# Altium PCB Enigma Rev A.PcbDoc (part 3 of 7) (continued)
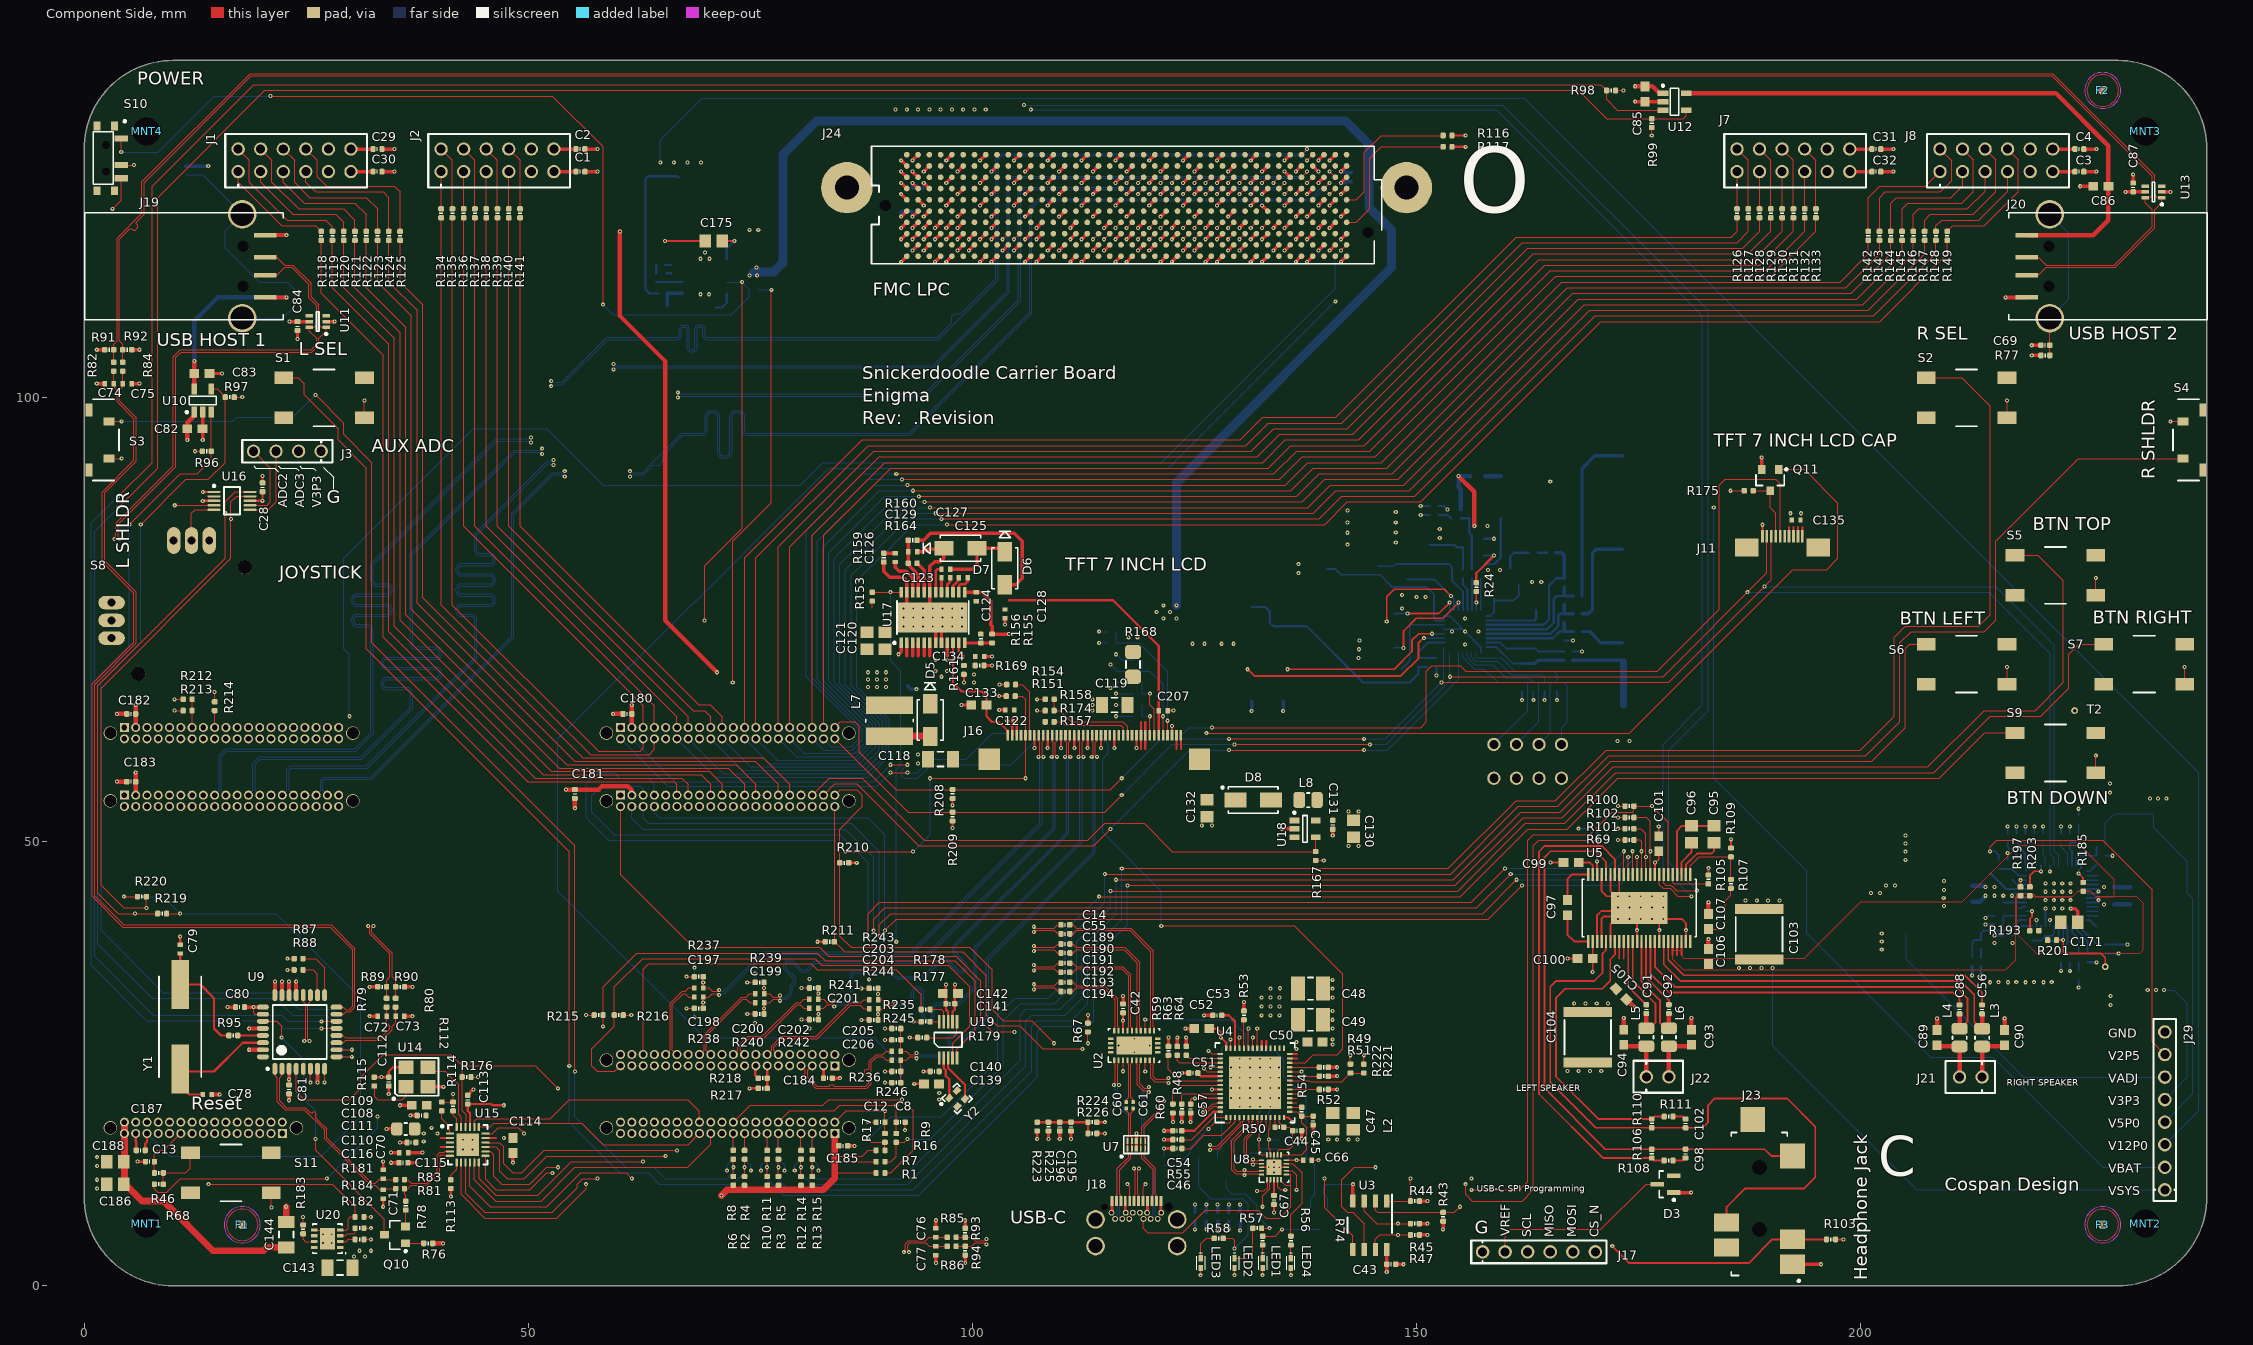
[diagram p0: Component Side view]
## Nets (pads, with @x,y where several pads share a name; then routed paths per layer and width w, separated by ;. In a path a pad name is that pad's centre, name@x,y a point inside that pad or via, vN(x,y) a via of type N, cw(c..) or ccw(c..) an arc to the next point about the centre after c; other vN are vias at no path point) (continued)
  Component Side w0.457: C78.1@14.335,21.539 v1(15.24,21.539) ; v1(18.561,26.575) U9.31@20.107,26.575 ; v1(18.561,28.975) U9.28@20.107,28.975 ; J19.4@20.38,118.316 v1(22.781,118.316) ; U9.24@21.457,32.725 v1(21.457,34.271) ; U9.23@22.257,32.725 v1(22.257,34.271) ; U9.22@23.057,32.725 v1(23.057,34.271) ; U9.21@23.857,32.725 v1(23.857,34.271) ; v1(26.257,22.879) U9.7@26.257,24.425 ; v1(216.36,111.316) J20.4@218.761,111.316
  Component Side w0.508: v1(3.683,56.769) C183.1@4.781,56.769 ; v1(3.683,64.389) C182.1@4.781,64.389 ; v1(55.245,53.782) C181.1@55.245,54.88 ; v1(59.563,64.389) C180.1@60.661,64.389 ; C94.1@173.383,28.825 v1(173.383,30.134) ; C105.1@173.696,32.234 v1(174.622,31.308) ; C93.1@181.003,28.825 v1(181.003,30.134) ; C106.1@182.908,37.93 v1(182.908,39.024) ; C107.1@182.908,41.867 v1(182.908,43.176) ; C89.1@208.661,28.79 v1(208.661,30.099) ; C90.1@216.281,28.79 v1(216.281,30.099)
  Component Side w0.762: C144.1@22.733,7.168 v1(22.733,8.89)
  Solder Side w0.127: v1(72.39,12.954) 72.39,13.539 C7.1@73.091,14.24 ; C5.1@74.361,14.24 75.062,13.539 v1(75.062,12.954) ; v1(76.2,12.954) 76.2,13.539 C9.1@76.901,14.24 ; C6.1@78.171,14.24 78.872,13.539 v1(78.872,12.954) ; v1(80.01,12.954) 80.01,13.539 C10.1@80.711,14.24 ; C11.1@81.981,14.24 82.682,13.539 v1(82.682,12.954) ; v1(114.3,73.66) R170.1@115.205,73.66 ; v1(115.57,67.31) 116.205,67.945 R172.1@118.126,67.945 ; v1(116.205,65.405) R173.1@118.126,65.405 ; v1(116.205,71.12) 116.84,70.485 R171.1@118.126,70.485 ; R73.2@121.6,14.55 v1(121.6,15.45) Q9.2@123.1,15.45 ; R70.2@129.1,16.45 129.1,15.55 129.55,15.1 Q8.2@129.55,14.35 130.7,14.35 131.3,14.95 133.5,14.95 133.985,14.465 v3(133.985,13.935) ; R71.2@132.3,18.95 132.3,19.45 132.425,19.575 v2(132.425,20.15) ; R72.2@133.4,18.95 133.4,19.45 133.575,19.625 v2(133.575,20.15) ; Q7.2@140.015,8.75 140.015,9.837 R62.2@139.565,10.287 139.565,11.115 139.88,11.43 v1(142.875,11.43)
  Solder Side w0.203: R42.2@152.271,69.679 152.273,69.677 v1(152.273,68.707) ; U1.21@153.121,73.929 U1.33@155.271,73.929 ; U1.24@153.121,75.429 153.771,75.429 U1.33@155.271,73.929 ; U1.9@157.271,71.279 157.271,71.929 v1(155.521,73.679) U1.33@155.271,73.929 ; v1(161.925,65.941) R41.2@161.925,66.945 ; v1(163.195,65.941) R40.2@163.195,66.945 ; v1(164.465,65.941) R39.2@164.465,66.945 ; v1(165.862,65.941) R38.2@165.862,66.945 ; C24.2@166.676,72.679 v1(167.68,72.679) ; R35.2@167.656,71.429 v1(168.66,71.429) ; v1(214.12,40.669) R196.2@215.12,40.669 ; v1(215.12,39.419) C162.1@216.12,39.419 ; R200.2@216.62,47.919 v1(216.62,48.719) ; C166.1@216.62,50.919 v1(216.62,51.719) ; C167.1@217.62,50.919 v1(217.62,51.719) ; C168.1@218.62,50.919 v1(218.62,51.719) ; R204.1@219.62,50.919 v1(219.62,51.719) ; R202.2@220.62,50.919 v1(220.62,51.719) ; U21.21@220.87,40.519 v1(220.87,42.469) U21.49@220.87,42.669 ; v1(222.62,35.465) C156.1@222.62,36.419 ; C150.1@222.62,50.919 v1(222.62,51.719) ; v1(223.62,35.465) C155.1@223.62,36.419 ; C149.1@223.62,50.919 v1(223.62,51.719) ; v1(224.62,33.592) C154.1@224.62,34.419 ; C148.1@224.62,52.919 v1(224.62,53.719) ; U21.8@225.52,43.169 226.783,43.169 ; U21.7@225.52,43.669 226.783,43.669 ; R188.2@227.62,48.419 v1(228.42,48.419)
  Solder Side w0.254: C179.1@65.4,114.965 66.1,114.965 ; C177.1@65.6,114.03 66.115,114.03 ; v1(150.517,86.81) C23.1@151.521,86.81 ; v1(150.517,87.81) R27.2@151.521,87.81 ; Q3.1@157.671,84.129 v1(158.771,84.129) ; R192.2@225.62,36.419 v1(226.62,36.419)
  Solder Side w0.305: U6.8@118.491,15.438 U6.3@118.491,16.312 v1(118.491,17.145)
  Solder Side w0.381: R75.2@11.43,126.095 v1@13.954,126.095 ; v1(91.996,120.396) 91.996,120.896 C136.1@92.131,121.031 ; R152.2@92.71,67.572 93.099,67.183 v1(93.726,67.183) ; C138.1@94.401,123.571 94.536,123.706 v1(94.536,124.206) ; v1(125.095,6.35) C64.1@125.095,7.247 ; v1(126.365,6.358) C63.1@126.365,7.255 ; v1(127.635,6.358) C65.1@127.635,7.255 ; v1(128.905,6.358) C62.1@128.905,7.255 ; v1(130.175,6.223) D4.2@130.175,7.34 ; v1(131.471,64.72) C41.2@131.471,65.829 ; v1(135.021,64.72) C40.2@135.021,65.829 ; R61.2@140.1,24.6 v1(141.1,24.6) ; v1(141.526,125.476) 142.026,125.476 142.161,125.341 C137.1@142.669,125.341 ; v1(212.62,34.931) C161.1@212.62,35.919 ; v1(213.62,34.931) C160.1@213.62,35.919
  Solder Side w0.508: C152.1@228.62,42.969 C146.1@230.42,42.969
  other v1: 1.445,10.93 1.445,11.93 1.445,13.47 1.445,14.47 140.1,16.45 141.1,16.45 123.6,23.95 167.033,24.165 168.303,24.165 169.573,24.165 170.843,24.165 140.6,27.15 140.6,27.75 140.6,28.95 140.6,29.95 140.6,30.95 228.219,31.623 140.6,32.45 228.219,32.639 140.6,33.45 214.651,34.172 216.651,34.172 218.651,34.172 220.651,34.172 215.585,34.185 217.585,34.185 219.585,34.185 221.585,34.185 140.6,34.45 67.818,34.798 172.748,41.31 174.018,41.31 175.288,41.31 176.558,41.31 177.828,41.31 221.82,42.469 222.77,42.469 172.748,42.58 174.018,42.58 175.288,42.58 176.558,42.58 177.828,42.58 209.436,42.754 227.47,42.919 187.099,43.398 188.369,43.398 189.639,43.398 190.909,43.398 220.87,43.419 221.82,43.419 222.77,43.419 223.72,43.419 226.87,43.419 209.423,43.688 174.018,43.85 175.288,43.85 176.558,43.85 177.828,43.85 201.223,44.215 202.239,44.215 220.87,44.369 221.82,44.369 222.77,44.369 223.72,44.369 209.436,44.554 202.903,45.076 203.919,45.076 220.87,45.319 221.82,45.319 222.77,45.319 223.72,45.319 209.436,45.57 142.367,49.516 143.51,49.516 125.857,51.816 127,51.816 228.153,55.528 228.153,56.544 93.885,58.82 93.885,59.82 172.68,61.33 174.03,61.33 113.538,64.77 113.538,65.405 113.538,66.04 155.521,72.204 124.796,72.3 126.146,72.3 128.096,72.3 129.446,72.3 117.602,73.025 118.618,73.025 154.046,73.679 156.996,73.679 155.521,75.154 148.421,76.279 150.056,77.563 151.072,77.563 148.421,77.779 163.068,79.248 164.084,79.248 136.741,80.245 158.096,80.612 159.446,80.612 136.741,81.261 142.249,83.454 142.249,84.804 142.249,85.954 193.357,86.995 142.249,87.304 13.335,88.392 69.4,111.665 70.35,111.665 69.4,115.665 70.4,115.665 69.9,116.365 74.9,118.919 75.9,118.919 13.954,126.111
  other v2: 26.873,4.793 27.873,4.793 26.873,5.793 27.873,5.793 42.63,15.325 43.73,15.325 42.63,16.425 43.73,16.425 130.125,20.15 131.275,20.15 129.15,21.125 130.125,21.125 131.275,21.125 132.425,21.125 133.575,21.125 134.55,21.125 129.15,22.275 130.125,22.275 131.275,22.275 132.425,22.275 133.575,22.275 134.55,22.275 129.15,23.425 130.125,23.425 131.275,23.425 132.425,23.425 133.575,23.425 134.55,23.425 129.15,24.575 130.125,24.575 131.275,24.575 132.425,24.575 133.575,24.575 134.55,24.575 130.125,25.55 131.275,25.55 132.425,25.55 133.575,25.55 93.36,74.255 94.46,74.255 95.56,74.255 96.66,74.255 97.76,74.255 93.36,75.255 94.46,75.255 95.56,75.255 96.66,75.255 97.76,75.255 93.36,76.255 94.46,76.255 95.56,76.255 96.66,76.255 97.76,76.255
  other v3: 133.985,12.735 118.237,26.301 116.487,27.051 119.987,27.051 118.237,27.801
  other v4: 92.26,74.255 98.86,74.255 92.26,75.255 98.86,75.255 92.26,76.255 98.86,76.255
HA00_CC_N: J24.F5
HA00_CC_P: J24.F4
HA01_CC_N: J24.E3
HA01_CC_P: J24.E2
HA02_N: J24.K8
HA02_P: J24.K7
HA03_N: J24.J7
HA03_P: J24.J6
HA04_N: J24.F8
HA04_P: J24.F7
HA05_N: J24.E7
HA05_P: J24.E6
HA06_N: J24.K11
HA06_P: J24.K10
HA07_N: J24.J10
HA07_P: J24.J9
HA08_N: J24.F11
HA08_P: J24.F10
HA09_N: J24.E10
HA09_P: J24.E9
HA10_N: J24.K14
HA10_P: J24.K13
HA11_N: J24.J13
HA11_P: J24.J12
HA12_N: J24.F14
HA12_P: J24.F13
HA13_N: J24.E13
HA13_P: J24.E12
HA14_N: J24.J16
HA14_P: J24.J15
HA15_N: J24.F17
HA15_P: J24.F16
HA16_N: J24.E16
HA16_P: J24.E15
HA17_CC_N: J24.K17
HA17_CC_P: J24.K16
HA18_N: J24.J19
HA18_P: J24.J18
HA19_N: J24.F20
HA19_P: J24.F19
HA20_N: J24.E19
HA20_P: J24.E18
HA21_N: J24.K20
HA21_P: J24.K19
HA22_N: J24.J22
HA22_P: J24.J21
HA23_N: J24.K23
HA23_P: J24.K22
HB00_CC_N: J24.K26
HB00_CC_P: J24.K25
HB01_N: J24.J25
HB01_P: J24.J24
HB02_N: J24.F23
HB02_P: J24.F22
HB03_N: J24.E22
HB03_P: J24.E21
HB04_N: J24.F26
HB04_P: J24.F25
HB05_N: J24.E25
HB05_P: J24.E24
HB06_CC_N: J24.K29
HB06_CC_P: J24.K28
HB07_N: J24.J28
HB07_P: J24.J27
HB08_N: J24.F29
HB08_P: J24.F28
HB09_N: J24.E28
HB09_P: J24.E27
HB10_N: J24.K32
HB10_P: J24.K31
HB11_N: J24.J31
HB11_P: J24.J30
HB12_N: J24.F32
HB12_P: J24.F31
HB13_N: J24.E31
HB13_P: J24.E30
HB14_N: J24.K35
HB14_P: J24.K34
HB15_N: J24.J34
HB15_P: J24.J33
HB16_N: J24.F35
HB16_P: J24.F34
HB17_CC_N: J24.K38
HB17_CC_P: J24.K37
HB18_N: J24.J37
HB18_P: J24.J36
HB19_N: J24.E34
HB19_P: J24.E33
HB20_N: J24.F38
HB20_P: J24.F37
HB21_N: J24.E37
HB21_P: J24.E36
HIDRV: Q5.4 U1.27 | length 11.3
  Component Side w0.203: v1(148.571,71.829) 148.571,73.729 150.021,75.179 153.021,75.179 v1(154.771,76.929)
  Solder Side w0.203: Q5.4@147.506,71.854 v1@148.521,71.854 ; U1.27@154.771,76.079 v1(154.771,76.929)
HP_DETECT_N: J23.4 J26.14 R103.2 | length 136.8
  Component Side w0.203: v1(172.085,4.445) 173.99,2.54 187.452,2.54 190.125,5.213 J23.4@192.405,5.213 R103.2@196.215,5.213
  Inner Layer 1 w0.127: v1(156.21,12.065) 164.465,12.065 v1(172.085,4.445)
  Inner Layer 2 w0.127: J26.14@76.901,18.415 79.441,20.955 89.535,20.955 90.17,21.59 92.71,21.59 93.345,20.955 93.345,15.875 93.98,15.24 95.885,15.24 97.79,13.335 116.205,13.335 116.84,13.97 127.12,13.97 130.6,17.45 137.1,17.45 138.1,18.45 149.825,18.45 v1(156.21,12.065)
HS1_RX_N: J18.B10 U2.2 U6.2 U6.9 | length 19.4
  Component Side w0.127: U2.2@116.487,25.401 116.487,25.038 116.364,24.915 116.364,22.771 v1(116.529,22.606)
  Solder Side w0.127: v1(116.529,22.606) 116.364,22.441 116.364,20.669 117.868,19.165 117.868,16.837 117.991,16.713 U6.2@117.991,16.312 117.991,15.037 117.868,14.913 117.868,14.335 116.614,13.081 116.614,7.788 J18.B10@116.887,7.515
HS1_RX_P: J18.B11 U2.1 U6.1 U6.10 | length 19.4
  Component Side w0.127: v1(115.945,22.606) 116.11,22.771 116.11,24.915 115.987,25.038 U2.1@115.987,25.401
  Solder Side w0.127: v1(115.945,22.606) 116.11,22.441 116.11,20.564 117.614,19.06 117.614,16.836 117.491,16.713 U6.1@117.491,16.312 117.491,15.037 117.614,14.913 117.614,14.462 116.36,13.208 116.36,7.788 J18.B11@116.087,7.515
HS1_TX_N: C61.2 U2.5 | length 4.9
  Component Side w0.127: U2.5@117.987,25.401 117.987,25.038 117.856,24.907 117.856,21.213 118.11,20.959 C61.2@118.11,20.67
HS1_TX_P: C60.2 U2.4 | length 4.9
  Component Side w0.127: C60.2@117.348,20.67 117.348,20.959 117.602,21.213 117.602,24.923 117.487,25.038 U2.4@117.487,25.401
HS1_USB_TX_N: C61.1 J18.A3 U7.2 U7.9 | length 11.2
  Component Side w0.127: J18.A3@116.737,9.525 116.737,10.154 116.614,10.276 116.614,13.081 117.868,14.335 117.868,14.913 117.991,15.037 U7.2@117.991,15.438 117.991,16.713 117.868,16.837 117.868,19.44 118.11,19.682 C61.1@118.11,19.97
HS1_USB_TX_P: C60.1 J18.A2 U7.1 U7.10 | length 11.2
  Component Side w0.127: J18.A2@116.237,9.525 116.237,10.154 116.36,10.276 116.36,13.208 117.614,14.462 117.614,14.914 117.491,15.037 U7.1@117.491,15.438 117.491,16.713 117.614,16.836 117.614,19.416 117.348,19.682 C60.1@117.348,19.97
HS2_RX_N: J18.A10 U2.10 U7.4 U7.7 | length 20
  Component Side w0.127: J18.A10@120.237,9.525 120.237,10.154 120.36,10.276 120.36,13.081 119.114,14.327 119.114,14.914 118.991,15.037 U7.4@118.991,15.438 118.991,16.713 119.114,16.837 119.114,17.924 121.158,19.968 121.158,20.625 v1(120.993,20.79) ; U2.10@120.487,25.401 120.487,25.038 120.364,24.915 120.364,23.527 120.65,23.241 121.92,23.241 v1(122.085,23.406)
  Inner Layer 1 w0.127: v1(120.993,20.79) 121.158,20.955 121.158,22.838 121.561,23.241 121.92,23.241 v1(122.085,23.406)
HS2_RX_P: J18.A11 U2.9 U7.5 U7.6 | length 20
  Component Side w0.127: U2.9@119.987,25.401 119.987,25.038 120.11,24.914 120.11,23.422 120.47,23.061 120.545,22.987 121.92,22.987 v1(122.085,22.822) ; J18.A11@120.737,9.525 120.737,10.154 120.614,10.276 120.614,13.208 119.368,14.454 119.368,14.913 119.491,15.037 U7.5@119.491,15.438 119.491,16.713 119.368,16.836 119.368,17.819 121.412,19.863 121.412,20.625 v1(121.577,20.79)
  Inner Layer 1 w0.127: v1(121.577,20.79) 121.412,20.955 121.412,22.733 121.666,22.987 121.92,22.987 v1(122.085,22.822)
HS2_TX_N: C58.2 U2.7 | length 7
  Component Side w0.127: U2.7@118.987,25.401 118.987,25.038 118.864,24.915 118.864,22.741 119.38,22.225 119.723,22.225 v1(119.888,22.39)
  Solder Side w0.127: C58.2@118.872,20.035 118.872,20.324 119.126,20.578 119.126,21.949 119.402,22.225 119.723,22.225 v1(119.888,22.39)
HS2_TX_P: C59.2 U2.6 | length 7
  Component Side w0.127: U2.6@118.487,25.401 118.487,25.038 118.61,24.915 118.61,22.636 119.275,21.971 119.723,21.971 v1(119.888,21.806)
  Solder Side w0.127: C59.2@119.634,20.035 119.634,20.324 119.38,20.578 119.38,21.844 119.507,21.971 119.723,21.971 v1(119.888,21.806)
HS2_USB_TX_N: C58.1 J18.B3 U6.4 U6.7 | length 12.7
  Solder Side w0.127: C58.1@118.872,19.335 118.872,19.047 119.114,18.805 119.114,16.837 118.991,16.713 U6.4@118.991,16.312 118.991,15.037 119.114,14.913 119.114,14.327 120.36,13.081 120.36,7.788 J18.B3@120.087,7.515
HS2_USB_TX_P: C59.1 J18.B2 U6.5 U6.6 | length 12.7
  Solder Side w0.127: C59.1@119.634,19.335 119.634,19.047 119.368,18.781 119.368,16.836 119.491,16.713 U6.5@119.491,16.312 119.491,15.037 119.368,14.913 119.368,14.454 120.614,13.208 120.614,7.788 J18.B2@120.887,7.515
HSRN: C39.2 C41.1 R36.4 U1.19 | length 25.2
  Component Side w0.203: v1(131.021,69.429) 131.771,68.679 148.271,68.679 150.271,70.679 150.271,72.429 150.771,72.929 v1(150.876,72.929)
  Solder Side w0.203: v1(150.876,72.929) U1.19@153.121,72.929
HSRP: C39.1 C40.1 R36.3 U1.20 | length 20
  Component Side w0.203: v1(135.521,69.429) 147.521,69.429 149.521,71.429 149.521,72.679 150.271,73.429 v1(151.771,73.429)
  Solder Side w0.203: v1(151.771,73.429) U1.20@153.121,73.429
I2C_JC_SCL: J25.39 R216.2 U19.4 | length 65.2
  Component Side w0.127: J25.39@60.391,24.765 59.756,24.13 57.785,24.13 57.15,24.765 57.15,26.67 59.69,29.21 R216.2@59.69,30.48 59.69,33.655 62.865,36.83 82.296,36.83 83.058,36.068 97.282,36.068 99.695,33.655 99.695,29.21 97.782,27.297 U19.4@97.782,25.636
I2C_JC_SDA: J25.40 R215.2 U19.5 | length 62.7
  Component Side w0.127: v1(58.42,29.21) R215.2@58.42,30.48 58.42,33.655 62.23,37.465 82.55,37.465 83.439,36.576 98.044,36.576 100.33,34.29 100.33,28.702 98.282,26.654 U19.5@98.282,25.636
  Inner Layer 1 w0.127: v1(58.42,29.21) 58.42,28.006 J25.40@60.391,26.035
I2C_USB_IRQ_N: J5.2 R67.2 U4.43 | length 88
  Component Side w0.127: J5.2@60.391,53.975 60.391,46.289 68.58,38.1 82.804,38.1 83.82,37.084 98.171,37.084 100.965,34.29 100.965,29.845 102.235,28.575 v1(104.775,28.575) ; v1(113.03,27.305) R67.2@113.03,28.575 ; v1(126.6,26.45) 126.95,26.1 U4.43@127.95,26.1
  Inner Layer 1 w0.127: v1(113.03,27.305) 114.554,25.781 125.931,25.781 v1(126.6,26.45)
  Inner Layer 2 w0.127: v1(104.775,28.575) 109.855,28.575 111.125,27.305 v1(113.03,27.305)
I2C_USB_SCL: J5.39 R210.2 U4.47 | length 72.4
  Component Side w0.127: J5.39@84.521,55.245 85.156,55.88 86.995,55.88 87.63,55.245 87.63,53.975 85.09,51.435 R210.2@85.09,47.625 85.09,39.37 86.36,38.1 99.695,38.1 102.235,35.56 102.235,31.115 103.505,29.845 106.68,29.845 v1(109.22,27.305) ; v1(126.1,24.45) 126.45,24.1 U4.47@127.95,24.1
  Inner Layer 1 w0.127: v1(109.22,27.305) 110.49,26.035 112.395,26.035 113.665,24.765 125.785,24.765 v1(126.1,24.45)
I2C_USB_SDA: J5.40 R211.2 U4.46 | length 67.1
  Component Side w0.127: J5.40@84.521,53.975 84.521,38.735 85.664,37.592 98.933,37.592 101.6,34.925 101.6,30.48 102.806,29.273 105.346,29.273 107.95,26.67 v1(112.395,26.67) ; v1(126.85,24.6) U4.46@127.95,24.6
  Inner Layer 1 w0.127: v1(112.395,26.67) 113.792,25.273 126.177,25.273 v1(126.85,24.6)
INT_REG_EN: R180.1 S10.1 U21.23 U22.3 | length 329.2
  Component Side w0.127: v1(4.153,127.673) S10.1@4.153,129.21 ; v1(20.955,133.985) 52.705,133.985 58.42,128.27 v1(58.42,110.49) ; v1(69.85,74.93) 69.85,81.071 74.089,85.31 v1(74.089,113.03)
  Inner Layer 1 w0.127: v1(69.85,74.93) 69.85,67.31 71.12,66.04 90.297,66.04 99.06,57.277 99.06,50.165 110.109,39.116 149.479,39.116 152.273,36.322 189.357,36.322 204.47,51.435 215.011,51.435 218.694,47.752 218.694,41.783 219.308,41.169 v1(219.87,41.169)
  Solder Side w0.127: v1(4.153,127.673) 8.293,127.673 14.605,133.985 v1(20.955,133.985) ; v1(58.42,110.49) 59.563,109.347 72.868,109.347 74.9,111.379 R180.1@74.9,112.165 74.035,113.03 U22.3@72.35,113.03
  Solder Side w0.203: U21.23@219.87,40.519 v1(219.87,41.169)
JOYSTICK_X: S8.X U16.4 | length 21.5
  Component Side w0.127: v1(10.176,87.9) U16.4@14.605,87.9
  Inner Layer 2 w0.127: S8.X@3.065,74.93 5.08,74.93 5.715,75.565 5.715,83.439 v1(10.176,87.9)
JOYSTICK_Y: S8.Y U16.5 | length 5.8
  Component Side w0.127: S8.Y@12.065,83.93 12.065,86.995 12.47,87.4 U16.5@14.605,87.4
LA00_CC_N: J10.38 J24.G7 | length 173.9
  Component Side w0.127: J24.G7@134.541,123.571 v1(135.176,124.206)
  Inner Layer 1 w0.127: J10.38@27.371,53.975 26.863,53.467 26.863,52.959 26.99,52.832 31.75,52.832 36.703,57.785 36.703,68.58 37.994,69.871 ccw(c37.738,70.127) 38.1,70.127 ccw(c37.738,70.127) 37.994,70.383 37.291,71.086 cw(c37.727,71.522) 37.291,71.957 37.588,72.253 cw(c38.023,71.818) 38.459,72.253 40.556,70.156 ccw(c40.812,70.412) 41.068,70.156 41.364,70.452 ccw(c41.108,70.708) 41.47,70.708 ccw(c41.108,70.708) 41.364,70.964 39.267,73.062 cw(c39.702,73.497) 39.267,73.933 39.563,74.229 cw(c39.999,73.794) 40.434,74.229 41.137,73.526 ccw(c41.393,73.782) 41.649,73.526 46.863,78.74 46.863,79.248 46.355,79.756 46.355,80.137 46.863,80.645 46.863,87.376 46.863,90.297 46.863,95.228 48.282,96.647 61.087,96.647 64.897,100.457 66.675,100.457 v1(66.84,100.622)
  Solder Side w0.127: v1(66.84,100.622) 67.005,100.457 94.615,100.457 105.204,111.046 105.204,123.295 105.278,123.37 105.607,123.698 134.668,123.698 v1(135.176,124.206)
LA00_CC_P: J10.36 J24.G6 | length 173.8
  Component Side w0.127: v1(135.176,122.936) J24.G6@135.811,123.571
  Inner Layer 1 w0.127: J10.36@26.101,53.975 26.609,53.467 26.609,52.854 26.885,52.578 31.855,52.578 36.957,57.68 36.957,68.475 38.174,69.692 ccw(c37.738,70.127) 38.354,70.127 ccw(c37.738,70.127) 38.174,70.563 37.471,71.266 cw(c37.727,71.522) 37.471,71.778 37.767,72.074 cw(c38.023,71.818) 38.279,72.074 40.376,69.976 ccw(c40.812,70.412) 41.248,69.976 41.544,70.273 ccw(c41.108,70.708) 41.724,70.708 ccw(c41.108,70.708) 41.544,71.144 39.446,73.241 cw(c39.702,73.497) 39.446,73.753 39.743,74.05 cw(c39.999,73.794) 40.255,74.05 40.958,73.347 ccw(c41.393,73.782) 41.829,73.347 47.117,78.635 47.117,79.248 47.117,80.645 47.117,87.376 47.117,90.297 47.117,95.123 48.387,96.393 61.192,96.393 65.002,100.203 66.675,100.203 v1(66.84,100.038)
  Solder Side w0.127: v1@67.005,100.076 67.005,100.203 94.72,100.203 105.458,110.941 105.458,123.19 105.712,123.444 134.668,123.444 v1(135.176,122.936)
LA01_CC_N: J6.14 J24.G19 | length 175.1
  Component Side w0.127: v1(118.666,122.936) J24.G19@119.301,123.571
  Inner Layer 2 w0.127: J6.14@12.131,61.595 11.623,61.087 11.623,60.706 11.877,60.452 30.48,60.452 31.623,61.595 31.623,66.675 31.623,66.802 31.432,66.992 31.169,66.992 30.979,67.183 30.979,67.437 31.169,67.627 31.432,67.627 31.623,67.818 31.623,69.342 31.623,97.514 42.186,108.077 46.977,108.077 ccw(c46.977,108.407) 47.307,108.407 47.307,109.38 cw(c47.892,109.38) 47.892,109.964 48.12,109.964 cw(c48.12,109.38) 48.704,109.38 48.704,106.52 ccw(c49.035,106.52) 49.035,106.19 49.263,106.19 ccw(c49.263,106.52) 49.593,106.52 49.593,109.38 cw(c50.178,109.38) 50.178,109.964 50.406,109.964 cw(c50.406,109.38) 50.99,109.38 50.99,108.407 ccw(c51.321,108.407) 51.321,108.077 117.523,108.077 119.174,109.728 119.174,122.428 v1(118.666,122.936)
LA01_CC_P: J6.12 J24.G18 | length 175.1
  Component Side w0.127: v1(119.936,122.936) J24.G18@120.571,123.571
  Inner Layer 2 w0.127: J6.12@10.861,61.595 11.369,61.087 11.369,60.601 11.772,60.198 30.585,60.198 31.877,61.49 31.877,67.818 31.877,69.342 31.877,97.409 42.291,107.823 46.977,107.823 ccw(c46.977,108.407) 47.561,108.407 47.561,109.38 cw(c47.892,109.38) 47.892,109.71 48.12,109.71 cw(c48.12,109.38) 48.45,109.38 48.45,106.52 ccw(c49.035,106.52) 49.035,105.936 49.263,105.936 ccw(c49.263,106.52) 49.847,106.52 49.847,109.38 cw(c50.178,109.38) 50.178,109.71 50.406,109.71 cw(c50.406,109.38) 50.736,109.38 50.736,108.407 ccw(c51.321,108.407) 51.321,107.823 117.628,107.823 119.354,109.548 119.428,109.623 119.428,113.411 119.428,122.428 v1(119.936,122.936)
LA02_N: J10.29 J24.H14 | length 174.7
  Component Side w0.127: v1(125.016,124.206) J24.H14@125.651,124.841
  Inner Layer 1 w0.127: v1(52.832,93.002) 52.997,92.837 65.532,92.837 71.882,99.187 116.967,99.187 125.524,107.744 125.524,123.698 v1(125.016,124.206)
  Solder Side w0.127: J10.29@22.291,55.245 22.799,55.753 22.799,58.21 23.136,58.547 31.75,58.547 43.942,70.739 43.942,75.044 ccw(c43.612,75.044) 43.612,75.374 42.434,75.374 cw(c42.434,75.959) 41.85,75.959 41.85,76.187 cw(c42.434,76.187) 42.434,76.772 45.704,76.772 ccw(c45.704,77.102) 46.034,77.102 46.034,77.33 ccw(c45.704,77.33) 45.704,77.66 42.434,77.66 cw(c42.434,78.245) 41.85,78.245 41.85,78.473 cw(c42.434,78.473) 42.434,79.057 45.704,79.057 ccw(c45.704,79.388) 46.034,79.388 46.034,79.616 ccw(c45.704,79.616) 45.704,79.947 42.434,79.947 cw(c42.434,80.531) 41.85,80.531 41.85,80.759 cw(c42.434,80.759) 42.434,81.343 45.704,81.343 ccw(c45.704,81.674) 46.034,81.674 46.034,81.902 ccw(c45.704,81.902) 45.704,82.233 44.526,82.233 cw(c44.526,82.817) 43.942,82.817 43.942,84.687 52.092,92.837 52.705,92.837 52.832,92.964 v1(52.832,93.002)